# Altium PCB EDA-03518-V3-0_pcb.pcbdoc (part 12 of 14)
Units mm, origin at the board's own origin, x right, y up, seen from the top; angles counter-clockwise.
Board outline 220 x 230 mm, 8 copper layers (Top Layer, L2P, L3, L4P, L5P, L6, L7P, Bottom Layer), stack 2.18 mm thick; 1190 components, 1445 nets, 5955 pads, 2149 vias.
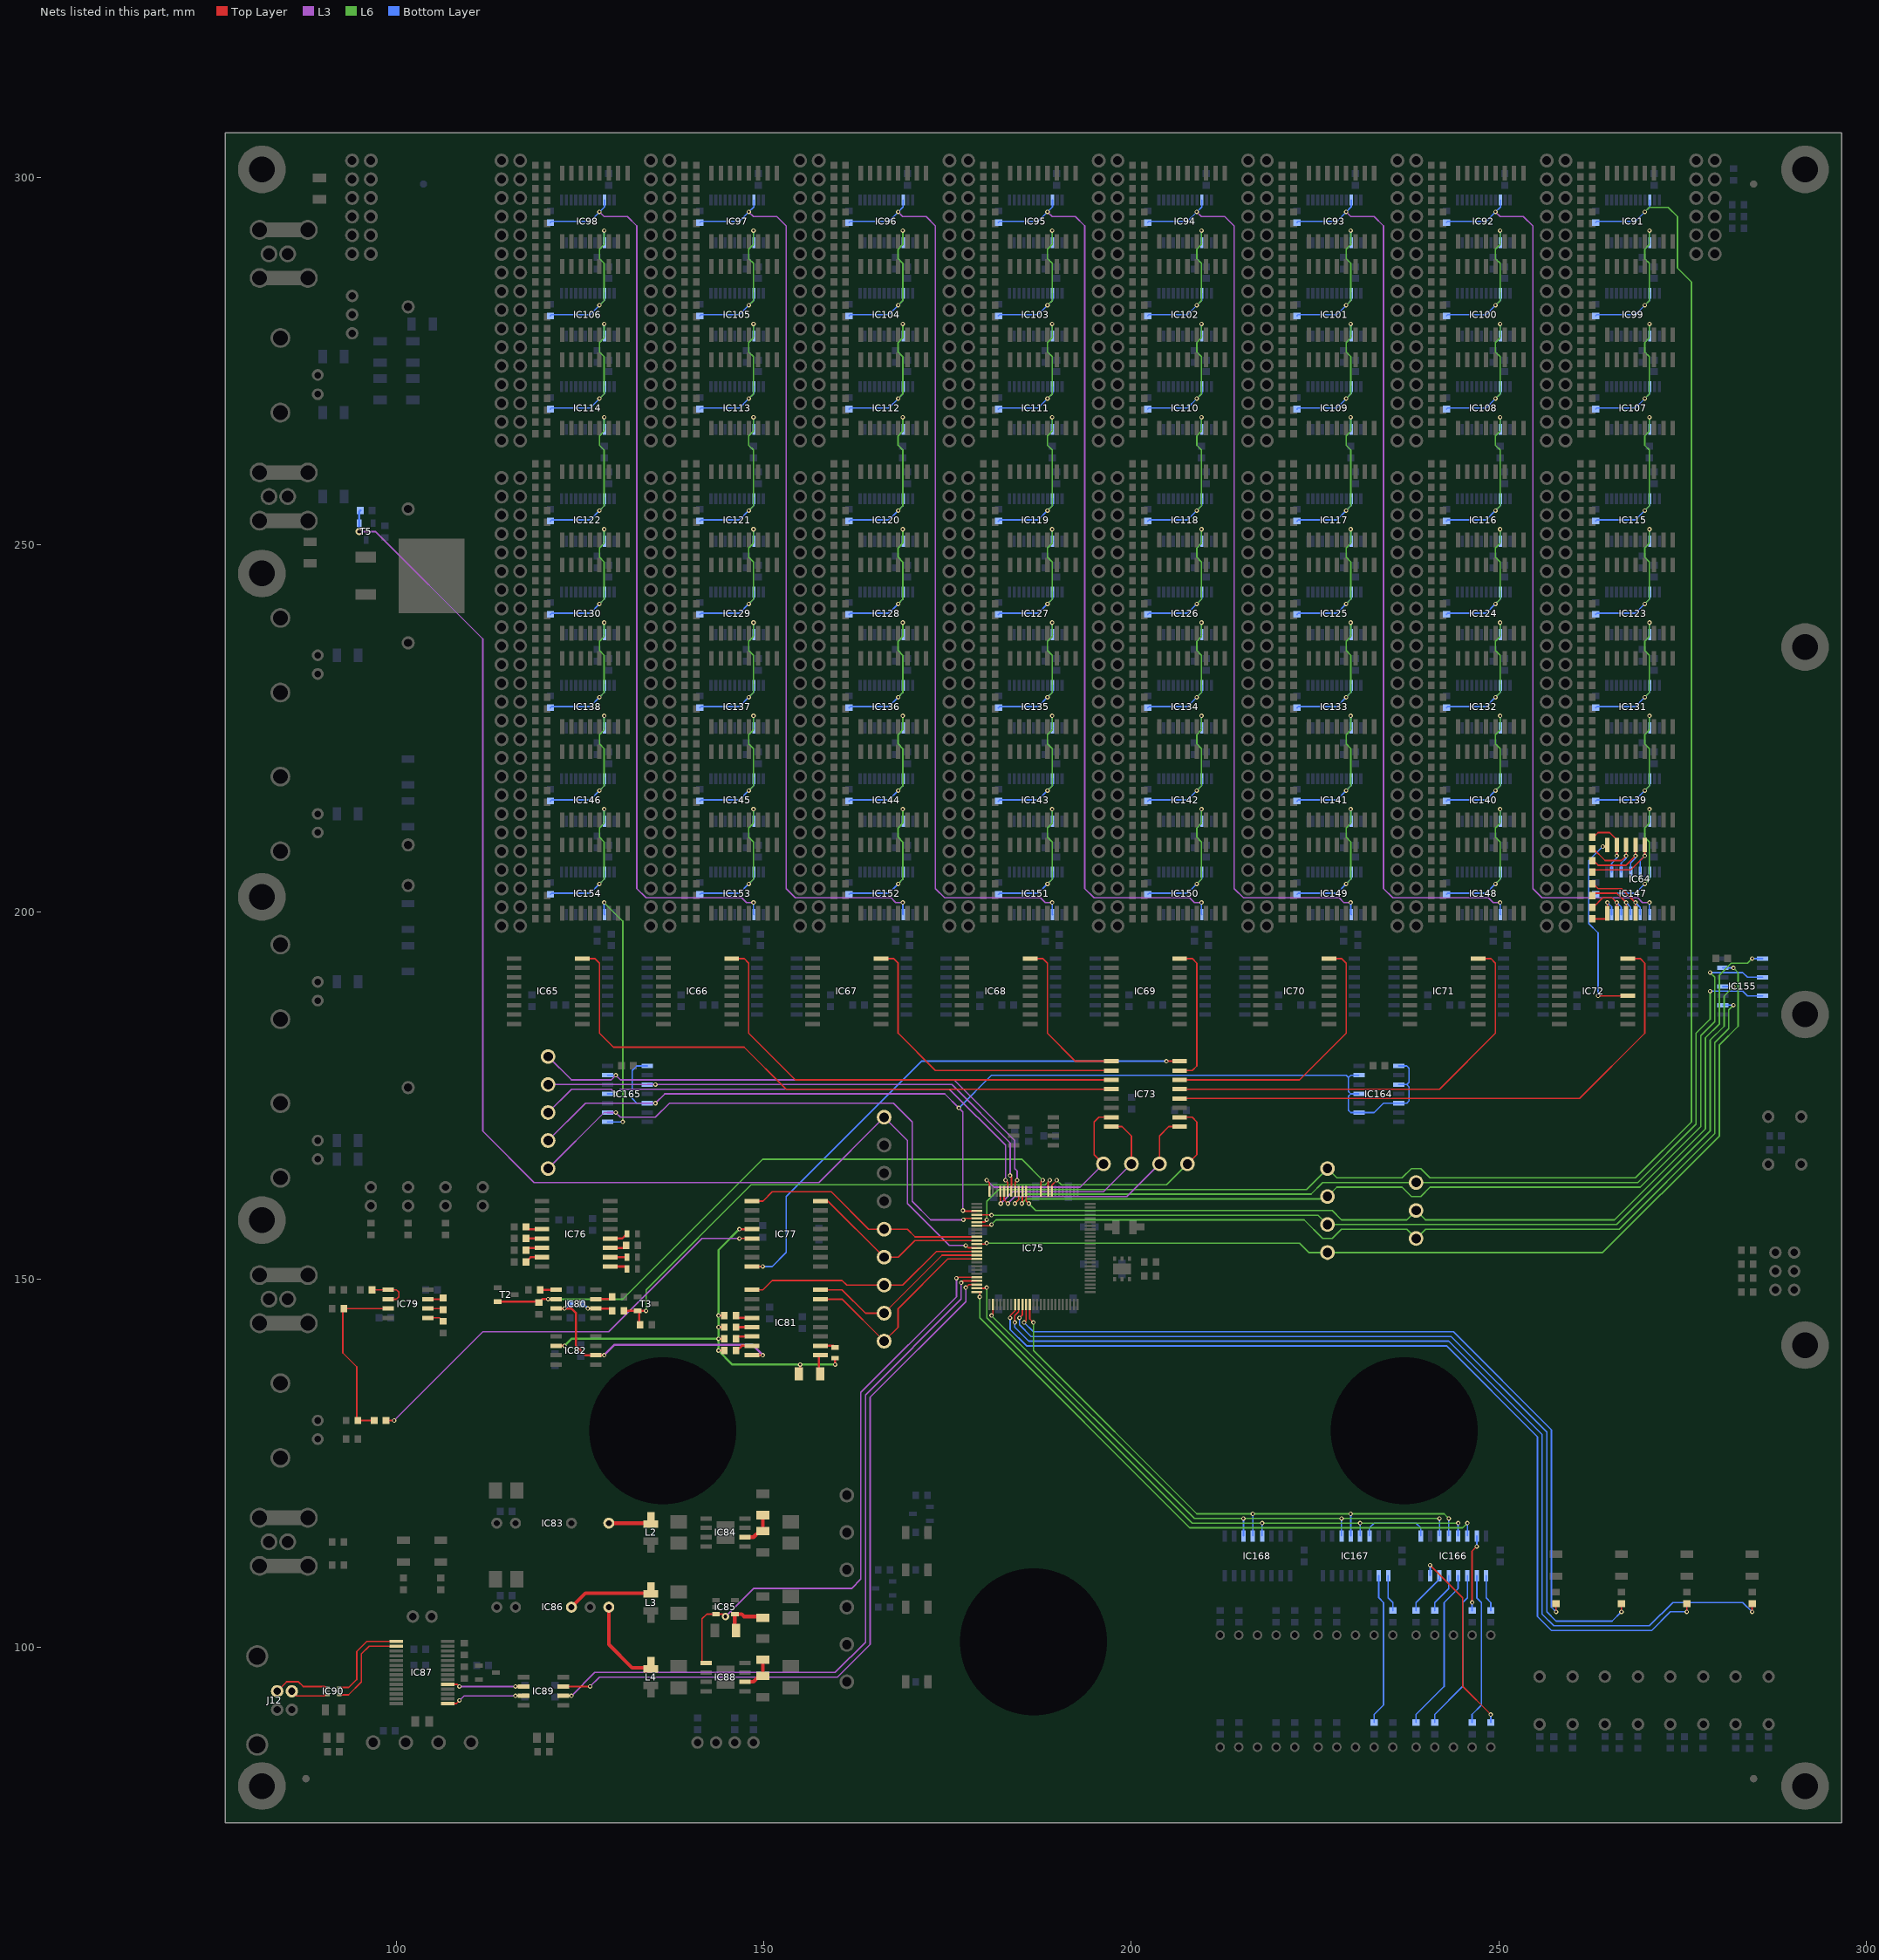
[diagram p18: the nets of this part, all layers, seen from the top]

## Via types
v1: diameter 0.6, hole 0.3, Top Layer to Bottom Layer, tented both sides, 1995 vias
v2: diameter 1, hole 0.5, Top Layer to Bottom Layer, tented both sides, 154 vias

## Nets (pads, with @x,y where several pads share a name; then routed paths per layer and width w, separated by ;. In a path a pad name is that pad's centre, name@x,y a point inside that pad or via, vN(x,y) a via of type N, cw(c..) or ccw(c..) an arc to the next point about the centre after c; other vN are vias at no path point) (continued)
NetIC64_4: IC64.4 IC147.20 R482.2 | length 12
  Top Layer w0.203: R482.2@262.738,205.422 263.055,205.74 267.97,205.74 v1(269.875,207.645) IC64.4@269.875,209.12
  Bottom Layer w0.203: IC147.20@269.262,205.465 269.262,207.032 v1(269.875,207.645)
NetIC64_5: IC64.5 IC147.18 R474.2 | length 10.6
  Top Layer w0.203: R474.2@262.738,207.01 262.89,207.01 263.525,206.375 267.335,206.375 v1(268.605,207.645) IC64.5@268.605,209.12
  Bottom Layer w0.203: IC147.18@267.962,205.465 267.962,206.685 268.605,207.327 v1(268.605,207.645)
NetIC64_6: IC64.6 IC147.16 R466.2 | length 9.5
  Top Layer w0.203: R466.2@262.738,208.597 262.89,208.597 264.477,207.01 266.7,207.01 v1(267.335,207.645) IC64.6@267.335,209.12
  Bottom Layer w0.203: IC147.16@266.662,205.465 266.662,206.655 267.335,207.327 v1(267.335,207.645)
NetIC64_7: IC64.7 IC147.14 R458.2 | length 8.7
  Top Layer w0.203: R458.2@262.738,210.185 262.89,210.185 263.525,210.82 265.113,210.82 266.065,209.867 IC64.7@266.065,209.12 v1(266.065,207.645)
  Bottom Layer w0.203: IC147.14@265.362,205.465 265.362,206.625 266.065,207.327 v1(266.065,207.645)
NetIC64_8: IC64.8 IC72.4 | length 26.4
  Top Layer w0.203: v1(263.525,188.595) IC72.4@267.54,188.595 ; v1(264.16,208.915) 264.59,208.915 IC64.8@264.795,209.12
  Bottom Layer w0.203: v1(263.525,188.595) 263.525,197.167 262.255,198.438 262.255,207.01 v1(264.16,208.915)
NetIC64_9: IC64.9 IC147.11 R514.2 | length 6.1
  Top Layer w0.203: R514.2@262.738,199.072 264.795,199.072 IC64.9@264.795,199.82 v1(264.795,201.295)
  Bottom Layer w0.203: v1(264.795,201.295) 265.362,200.728 IC147.11@265.362,199.665
NetIC64_10: IC64.10 IC147.9 R506.2 | length 7.5
  Top Layer w0.203: R506.2@262.738,200.66 262.89,200.66 264.16,201.93 265.43,201.93 v1(266.065,201.295) IC64.10@266.065,199.82
  Bottom Layer w0.203: v1(266.065,201.295) 266.662,200.698 IC147.9@266.662,199.665
NetIC64_11: IC64.11 IC147.7 R498.2 | length 8.6
  Top Layer w0.203: R498.2@262.738,202.248 263.055,202.565 266.065,202.565 v1(267.335,201.295) IC64.11@267.335,199.82
  Bottom Layer w0.203: v1(267.335,201.295) 267.962,200.668 IC147.7@267.962,199.665
NetIC64_12: IC64.12 IC147.5 R490.2 | length 10.3
  Top Layer w0.203: R490.2@262.738,203.835 262.89,203.835 263.525,203.2 266.7,203.2 v1(268.605,201.295) IC64.12@268.605,199.82
  Bottom Layer w0.203: v1(268.605,201.295) 269.262,200.638 IC147.5@269.262,199.665
NetIC65_8: IC65.8 IC73.12 | length 84.9
  Top Layer w0.203: IC65.8@125.3,193.675 127,193.675 127.635,193.04 127.635,183.515 129.54,181.61 147.32,181.61 153.035,175.895 IC73.12@197.28,175.895
NetIC66_8: IC66.8 IC73.11 | length 64.1
  Top Layer w0.203: IC66.8@145.62,193.675 147.32,193.675 147.955,193.04 147.955,183.515 154.305,177.165 IC73.11@197.28,177.165
NetIC67_8: IC67.8 IC73.10 | length 43.2
  Top Layer w0.203: IC67.8@165.94,193.675 167.64,193.675 168.275,193.04 168.275,183.515 173.355,178.435 IC73.10@197.28,178.435
NetIC68_8: IC68.8 IC73.9 | length 22.4
  Top Layer w0.203: IC68.8@186.26,193.675 187.96,193.675 188.595,193.04 188.595,183.515 192.405,179.705 IC73.9@197.28,179.705
NetIC69_8: IC69.8 IC73.7 | length 19.2
  Top Layer w0.203: IC73.7@206.58,178.435 208.28,178.435 208.915,179.07 208.915,193.04 208.28,193.675 IC69.8@206.58,193.675
NetIC70_8: IC70.8 IC73.6 | length 37.4
  Top Layer w0.203: IC73.6@206.58,177.165 222.885,177.165 229.235,183.515 229.235,193.04 228.6,193.675 IC70.8@226.9,193.675
NetIC71_8: IC71.8 IC73.5 | length 58.3
  Top Layer w0.203: IC73.5@206.58,175.895 241.935,175.895 249.555,183.515 249.555,193.04 248.92,193.675 IC71.8@247.22,193.675
NetIC72_8: IC72.8 IC73.4 | length 79.1
  Top Layer w0.203: IC73.4@206.58,174.625 260.985,174.625 269.875,183.515 269.875,193.04 269.24,193.675 IC72.8@267.54,193.675
NetIC73_1: IC73.1 IC75.21 TP9.1 | length 31.8
  Top Layer w0.203: IC75.21@182.69,162.005 182.69,160.845 v1(183.197,160.338) ; TP9.1@203.835,165.735 203.835,169.545 205.105,170.815 IC73.1@206.58,170.815
  L3 w0.203: v1(183.197,160.338) 184.15,161.29 199.39,161.29 TP9.1@203.835,165.735
NetIC73_2: IC73.2 IC75.8 TP10.1 | length 29.9
  Top Layer w0.203: IC75.8@189.19,162.005 189.19,162.838 v1(189.865,163.512) ; IC73.2@206.58,172.085 208.28,172.085 208.915,171.45 208.915,167.005 TP10.1@207.645,165.735
  L6 w0.203: v1(189.865,163.512) 190.5,162.877 204.787,162.877 TP10.1@207.645,165.735
NetIC73_8: IC73.8 IC77.8 | length 74.2
  Top Layer w0.203: IC77.8@148.385,151.765 v1(149.86,151.765) ; v1(204.787,179.705) IC73.8@206.58,179.705
  Bottom Layer w0.203: v1(149.86,151.765) 151.13,151.765 153.035,153.67 153.035,161.29 171.45,179.705 v1(204.787,179.705)
NetIC73_15: IC73.15 IC75.25 TP7.1 | length 28.1
  Top Layer w0.203: v1(180.34,163.512) 180.69,163.163 IC75.25@180.69,162.005 ; TP7.1@196.215,165.735 194.945,167.005 194.945,171.45 195.58,172.085 IC73.15@197.28,172.085
  L3 w0.203: v1(180.34,163.512) 181.292,162.56 193.04,162.56 TP7.1@196.215,165.735
NetIC73_16: IC73.16 IC75.22 TP8.1 | length 28.8
  Top Layer w0.203: IC75.22@182.19,162.005 182.19,160.393 v1(182.245,160.338) ; IC73.16@197.28,170.815 198.755,170.815 200.025,169.545 TP8.1@200.025,165.735
  L3 w0.203: v1(182.245,160.338) 183.832,161.925 196.215,161.925 TP8.1@200.025,165.735
NetIC75_9: IC75.9 R539.2 R542.2 T3.2 | length 70.6
  Top Layer w0.203: IC75.9@188.69,162.005 188.69,163.29 v1(188.912,163.512)
  Top Layer w0.305: R539.2@130.975,145.732 132.833,145.732 T3.2@132.835,145.735 ; R542.2@133.185,143.827 133.032,143.98 133.032,145.537 T3.2@132.835,145.735 ; v1(133.985,145.732) 133.983,145.735 T3.2@132.835,145.735
  L6 w0.203: v1(133.985,145.732) 133.985,148.59 148.273,162.877 188.278,162.877 v1(188.912,163.512)
NetIC75_11: IC75.11 IC80.2 R537.2 T2.2 | length 86.2
  Top Layer w0.203: IC75.11@187.69,162.005 187.69,163.243 v1(187.96,163.512)
  Top Layer w0.305: T2.2@113.785,147.005 113.787,147.002 119.228,147.002 R537.2@119.38,146.85 119.85,147.32 v1(120.65,147.32) IC80.2@121.76,147.32
  L6 w0.203: v1(120.65,147.32) 130.81,147.32 149.86,166.37 185.102,166.37 v1(187.96,163.512)
NetIC75_15: IC75.15 IC155.1 TP17.1 | length 129.5
  Top Layer w0.203: IC75.15@185.69,162.005 185.69,160.703 v1(186.055,160.338)
  L6 w0.203: v1(186.055,160.338) 187.007,159.385 227.33,159.385 228.6,158.115 237.49,158.115 TP17.1@238.76,159.385 240.03,158.115 265.748,158.115 278.13,170.498 278.13,182.88 280.035,184.785 280.035,191.452 281.623,193.04 283.845,193.04 v1(284.48,193.675)
  Bottom Layer w0.203: v1(284.48,193.675) IC155.1@285.91,193.675
NetIC75_16: IC75.16 IC155.3 TP15.1 | length 128.9
  Top Layer w0.203: v1(185.102,160.338) 185.19,160.425 IC75.16@185.19,162.005
  L6 w0.203: v1(185.102,160.338) 185.737,160.972 226.377,160.972 TP15.1@226.695,161.29 227.965,162.56 236.855,162.56 238.125,161.29 239.395,161.29 240.665,162.56 269.24,162.56 277.495,170.815 277.495,183.197 279.4,185.102 279.4,191.135 v1(278.765,191.77)
  Bottom Layer w0.203: v1(278.765,191.77) 283.21,191.77 283.845,191.135 IC155.3@285.91,191.135
NetIC75_17: IC75.17 IC155.5 TP14.1 | length 125.4
  Top Layer w0.203: v1(184.15,160.338) 184.69,160.877 IC75.17@184.69,162.005
  L6 w0.203: v1(184.15,160.338) 185.42,161.607 224.472,161.607 226.06,163.195 TP14.1@238.76,163.195 268.923,163.195 276.86,171.132 276.86,183.515 278.765,185.42 v1(278.765,189.23)
  Bottom Layer w0.203: v1(278.765,189.23) 283.21,189.23 283.845,188.595 IC155.5@285.91,188.595
NetIC75_18: IC75.18 IC165.13 TP1.1 | length 77
  Top Layer w0.203: IC75.18@184.19,162.005 184.19,163.235 v1(184.468,163.512)
  L3 w0.203: TP1.1@120.65,180.34 123.825,177.165 129.222,177.165 v1(129.857,177.8) 130.493,177.165 175.895,177.165 184.15,168.91 184.15,165.1 184.468,164.782 v1(184.468,163.512)
  Bottom Layer w0.203: IC165.13@128.745,177.8 v1(129.857,177.8)
NetIC75_19: IC75.19 IC165.3 TP2.1 | length 73.9
  Top Layer w0.203: v1(183.515,164.147) 183.69,163.972 IC75.19@183.69,162.005
  L3 w0.203: TP2.1@120.65,176.53 v1(135.255,176.53) 175.577,176.53 183.515,168.593 v1(183.515,164.147)
  Bottom Layer w0.203: IC165.3@134.145,176.53 v1(135.255,176.53)
NetIC75_20: IC75.20 IC165.11 TP3.1 | length 74.7
  Top Layer w0.203: v1(182.88,163.512) 183.19,163.203 IC75.20@183.19,162.005
  L3 w0.203: TP3.1@120.65,172.72 123.825,175.895 129.222,175.895 v1(129.857,175.26) 130.493,175.895 175.26,175.895 182.88,168.275 v1(182.88,163.512)
  Bottom Layer w0.203: IC165.11@128.745,175.26 v1(129.857,175.26)
NetIC75_28: IC75.28 IC164.1 IC164.3 IC164.5 IC164.9 IC164.11 IC164.13 IC165.1 IC165.5 TP5.1 | length 163.8
  Top Layer w0.203: v1(177.086,159.385) 177.166,159.305 IC75.28@178.99,159.305
  L3 w0.203: TP5.1@120.65,168.91 125.73,173.99 v1(135.255,173.99) 136.525,175.26 174.625,175.26 v1(176.53,173.355) 177.086,172.799 v1(177.086,159.385)
  Bottom Layer w0.203: IC165.1@134.145,179.07 132.715,179.07 132.08,178.435 132.08,174.625 132.715,173.99 IC165.5@134.145,173.99 v1(135.255,173.99) ; v1(176.53,173.355) 180.975,177.8 229.235,177.8 229.552,177.482 ; IC164.11@230.98,175.26 229.87,175.26 ; IC164.13@230.98,177.8 229.87,177.8 229.552,177.482 ; IC164.3@236.38,176.53 237.49,176.53 ; IC164.1@236.38,179.07 237.49,179.07 237.807,178.752 237.807,176.847 237.49,176.53 ; 229.552,177.482 229.552,175.577 229.87,175.26 ; 229.87,175.26 229.552,174.942 229.552,173.037 229.87,172.72 IC164.9@230.98,172.72 233.045,172.72 234.315,173.99 IC164.5@236.38,173.99 237.49,173.99 237.807,174.308 237.807,176.213 237.49,176.53
NetIC75_29: IC75.29 IC155.11 TP18.1 | length 128
  Top Layer w0.203: IC75.29@178.99,158.805 180.92,158.805 v1(180.975,158.75)
  L6 w0.203: v1(180.975,158.75) 225.425,158.75 TP18.1@226.695,157.48 266.065,157.48 278.765,170.18 278.765,182.562 280.67,184.468 280.67,188.595 v1(281.94,189.865)
  Bottom Layer w0.203: IC155.11@280.51,189.865 v1(281.94,189.865)
NetIC75_30: IC75.30 IC165.9 TP11.1 | length 76.6
  Top Layer w0.203: v1(177.165,158.115) 177.355,158.305 IC75.30@178.99,158.305
  L3 w0.203: TP11.1@120.65,165.1 128.27,172.72 v1(129.857,172.72) 130.493,172.085 135.255,172.085 137.16,173.99 167.64,173.99 170.18,171.45 170.18,160.655 172.72,158.115 v1(177.165,158.115)
  Bottom Layer w0.203: IC165.9@128.745,172.72 v1(129.857,172.72)
NetIC75_31: IC75.31 IC91.22 R571.1 TP12.1 | length 244.9
  Top Layer w0.203: IC75.31@178.99,157.805 180.03,157.805 v1(180.34,158.115)
  L6 w0.203: v1(180.34,158.115) 180.34,160.655 181.927,162.243 223.837,162.243 TP12.1@226.695,165.1 227.965,163.83 236.855,163.83 238.125,165.1 239.395,165.1 240.665,163.83 268.605,163.83 276.225,171.45 276.225,285.75 274.32,287.655 274.32,294.64 273.05,295.91 270.51,295.91 v1(269.875,295.275)
  Bottom Layer w0.203: R571.1@263.207,293.84 263.373,294.005 268.605,294.005 v1(269.875,295.275) 270.562,295.962 IC91.22@270.562,296.905
NetIC75_32: IC75.32 IC155.9 TP20.1 | length 128.7
  Top Layer w0.203: IC75.32@178.99,157.305 180.8,157.305 v1(180.975,157.48)
  L6 w0.203: v1(180.975,157.48) 181.61,158.115 223.52,158.115 226.06,155.575 227.33,155.575 228.6,156.845 237.49,156.845 TP20.1@238.76,155.575 240.03,156.845 266.382,156.845 279.4,169.862 279.4,182.245 281.305,184.15 281.305,186.69 v1(281.94,187.325)
  Bottom Layer w0.203: IC155.9@280.51,187.325 v1(281.94,187.325)
NetIC75_35: IC75.35 IC77.1 TP19.1 | length 33.7
  Top Layer w0.203: IC77.1@148.385,160.655 149.86,160.655 151.13,161.925 159.185,161.925 164.265,156.845 TP19.1@166.37,156.845 169.545,156.845 170.585,155.805 IC75.35@178.99,155.805
NetIC75_36: IC75.36 IC77.16 TP22.1 | length 25.4
  Top Layer w0.203: IC77.16@157.685,160.655 158.75,160.655 TP22.1@166.37,153.035 168.275,153.035 170.545,155.305 IC75.36@178.99,155.305
NetIC75_37: IC75.37 IC155.13 TP21.1 | length 133.8
  Top Layer w0.203: IC75.37@178.99,154.805 180.205,154.805 v1(180.34,154.94)
  L6 w0.203: v1(180.34,154.94) 222.885,154.94 224.155,153.67 TP21.1@226.695,153.67 264.16,153.67 280.035,169.545 280.035,181.927 282.575,184.468 282.575,191.77 v1(281.94,192.405)
  Bottom Layer w0.203: IC155.13@280.51,192.405 v1(281.94,192.405)
NetIC75_38: IC75.38 R613.2 T5.1 TP4.1 | length 179
  Top Layer w0.203: v1(177.482,154.623) 177.8,154.305 IC75.38@178.99,154.305
  L3 w0.203: v2(94.932,251.778) 97.155,251.778 111.76,237.172 111.76,170.18 118.745,163.195 157.48,163.195 TP4.1@166.37,172.085 169.545,168.91 169.545,160.338 175.26,154.623 v1(177.482,154.623)
  Bottom Layer w0.305: v2(94.932,251.778) 94.935,251.78 T5.1@94.935,252.928 94.935,253.68 94.932,253.682 94.932,254.483 R613.2@95.085,254.635
NetIC75_39: IC75.39 IC81.1 TP23.1 | length 33.3
  Top Layer w0.203: IC81.1@148.385,148.59 149.86,148.59 151.13,149.86 160.655,149.86 161.29,149.225 TP23.1@166.37,149.225 168.91,149.225 173.49,153.805 IC75.39@178.99,153.805
NetIC75_40: IC75.40 IC81.16 TP24.1 | length 25.9
  Top Layer w0.203: IC81.16@157.685,148.59 160.655,148.59 163.83,145.415 TP24.1@166.37,145.415 174.26,153.305 IC75.40@178.99,153.305
NetIC75_41: IC75.41 IC81.15 TP25.1 | length 29.8
  Top Layer w0.203: IC81.15@157.685,147.32 160.655,147.32 TP25.1@166.37,141.605 168.275,143.51 168.275,146.05 175.03,152.805 IC75.41@178.99,152.805
NetIC75_46: IC75.46 IC85.3 IC88.5 | length 79.8
  Top Layer w0.203: IC88.5@142.13,97.79 141.605,97.79 141.605,103.822 142.242,104.46 IC85.3@143.48,104.46 144.46,104.46 v2(144.78,104.14) ; v1(176.213,150.177) 176.34,150.305 IC75.46@178.99,150.305
  L3 w0.203: v2(144.78,104.14) 148.59,107.95 161.925,107.95 163.195,109.22 163.195,134.62 176.213,147.637 v1(176.213,150.177)
NetIC75_47: IC75.47 IC89.2 | length 100.7
  Top Layer w0.203: IC89.2@122.715,93.345 v1(123.825,93.345) ; v1(176.847,149.542) 177.11,149.805 IC75.47@178.99,149.805
  L3 w0.203: v1(123.825,93.345) 127,96.52 159.702,96.52 163.83,100.647 163.83,134.302 176.847,147.32 v1(176.847,149.542)
NetIC75_48: IC75.48 IC89.3 | length 99.8
  Top Layer w0.203: IC89.3@122.715,94.615 v1(126.365,94.615) ; v1(177.482,148.907) 177.88,149.305 IC75.48@178.99,149.305
  L3 w0.203: v1(126.365,94.615) 127.635,95.885 160.02,95.885 164.465,100.33 164.465,133.985 177.482,147.002 v1(177.482,148.907)
NetIC75_49: IC75.49 IC166.13 IC167.13 IC168.13 | length 86.5
  Top Layer w0.203: IC75.49@178.99,148.805 180.238,148.805 v1(180.34,148.907)
  L6 w0.203: v1(180.34,148.907) 180.34,144.78 208.28,116.84 v1(217.805,116.84) v1(231.14,116.84) v1(244.475,116.84)
  Bottom Layer w0.203: IC168.13@217.805,115.095 v1(217.805,116.84) ; IC167.13@231.14,115.095 v1(231.14,116.84) ; IC166.13@244.475,115.095 v1(244.475,116.84)
NetIC75_50: IC75.50 IC166.14 | length 84.1
  Top Layer w0.203: IC75.50@178.99,148.305 179.387,148.305 v1(179.387,147.637)
  L6 w0.203: v1(179.387,147.637) 179.387,144.78 207.963,116.205 245.11,116.205 v1(245.745,116.84)
  Bottom Layer w0.203: IC166.14@245.745,115.095 v1(245.745,116.84)
NetIC75_52: IC75.52 IC166.11 IC167.11 IC168.11 | length 81.1
  Top Layer w0.203: v1(180.975,145.097) 181.19,145.313 IC75.52@181.19,146.605
  L6 w0.203: v1(180.975,145.097) 208.597,117.475 v1(215.265,117.475) v1(228.6,117.475) v1(241.935,117.475)
  Bottom Layer w0.203: IC168.11@215.265,115.095 v1(215.265,117.475) ; IC167.11@228.6,115.095 v1(228.6,117.475) ; IC166.11@241.935,115.095 v1(241.935,117.475)
NetIC75_58: IC75.58 R559.2 | length 129.2
  Top Layer w0.203: v1(183.515,144.78) 183.515,145.097 184.19,145.772 IC75.58@184.19,146.605 ; v1(275.59,104.775) R559.2@275.59,105.88
  Bottom Layer w0.203: v1(183.515,144.78) 183.515,143.192 185.737,140.97 242.887,140.97 255.27,128.588 255.27,104.14 257.175,102.235 270.827,102.235 273.368,104.775 v1(275.59,104.775)
NetIC75_59: IC75.59 R560.2 | length 137.7
  Top Layer w0.203: v1(184.15,144.145) 184.15,145.097 184.69,145.637 IC75.59@184.69,146.605 ; v1(284.48,104.775) R560.2@284.48,105.88
  Bottom Layer w0.203: v1(184.15,144.145) 184.15,143.51 186.055,141.605 243.205,141.605 255.905,128.905 255.905,104.457 257.493,102.87 270.51,102.87 273.685,106.045 283.21,106.045 v1(284.48,104.775)
NetIC75_60: IC75.60 R558.2 | length 117.5
  Top Layer w0.203: v1(184.785,144.78) 185.19,145.185 IC75.60@185.19,146.605 ; v1(266.7,104.775) R558.2@266.7,105.88
  Bottom Layer w0.203: v1(184.785,144.78) 184.785,143.827 186.373,142.24 243.522,142.24 256.54,129.222 256.54,104.775 257.81,103.505 265.43,103.505 v1(266.7,104.775)
NetIC75_61: IC75.61 R557.2 | length 106.5
  Top Layer w0.203: v1(185.42,144.145) 185.69,144.415 IC75.61@185.69,146.605 ; v1(257.81,104.775) R557.2@257.81,105.88
  Bottom Layer w0.203: v1(185.42,144.145) 186.69,142.875 243.84,142.875 257.175,129.54 257.175,105.41 v1(257.81,104.775)
NetIC75_62: IC75.62 IC166.12 IC167.12 IC168.12 | length 80.9
  Top Layer w0.203: IC75.62@186.19,146.605 186.19,144.645 v1(186.69,144.145)
  L6 w0.203: v1(186.69,144.145) 186.69,140.335 208.915,118.11 v1(216.535,118.11) v1(229.87,118.11) 242.57,118.11 v1(243.205,117.475)
  Bottom Layer w0.203: IC168.12@216.535,115.095 v1(216.535,118.11) ; IC167.12@229.87,115.095 v1(229.87,118.11) ; IC166.12@243.205,115.095 v1(243.205,117.475)
NetIC76_4: IC76.4 R518.1 | length 2.3
  Top Layer w0.305: R518.1@117.64,157.162 117.958,156.845 IC76.4@119.81,156.845
NetIC76_5: IC76.5 R520.1 | length 2.2
  Top Layer w0.305: R520.1@117.64,155.575 IC76.5@119.81,155.575
NetIC76_6: IC76.6 R522.1 | length 2.3
  Top Layer w0.305: R522.1@117.64,153.987 117.958,154.305 IC76.6@119.81,154.305
NetIC76_7: IC76.7 R525.1 | length 2.4
  Top Layer w0.305: R525.1@117.64,152.4 118.275,153.035 IC76.7@119.81,153.035
NetIC76_9: IC76.9 R528.1 | length 2.4
  Top Layer w0.305: IC76.9@129.11,151.765 131.042,151.765 R528.1@131.36,151.447
NetIC76_10: IC76.10 R524.1 | length 2.2
  Top Layer w0.305: IC76.10@129.11,153.035 R524.1@131.36,153.035
NetIC76_11: IC76.11 R521.1 | length 2.3
  Top Layer w0.305: IC76.11@129.11,154.305 130.962,154.305 R521.1@131.28,154.623
NetIC76_12: IC76.12 R519.1 | length 2.5
  Top Layer w0.305: IC76.12@129.11,155.575 130.725,155.575 R519.1@131.36,156.21
NetIC77_4: IC77.4 IC82.2 R540.1 R543.1 R544.1 R545.1 R546.1 R547.1 | length 63.9
  Top Layer w0.305: IC82.2@121.76,140.97 v1(122.872,140.97) ; v1(143.827,140.335) R546.1@144.615,140.335 ; v1(143.827,141.922) R544.1@144.615,141.922 ; v1(143.827,143.51) R543.1@144.615,143.51 ; v1(143.827,145.097) R540.1@144.615,145.097 ; v1(146.685,156.845) IC77.4@148.385,156.845 ; R547.1@154.76,137.16 154.94,137.34 v1(154.94,138.43) ; v1(159.702,138.43) R545.1@159.702,139.297
  L6 w0.305: v1(122.872,140.97) 123.825,141.922 v1(143.827,141.922) ; v1(146.685,156.845) 143.827,153.987 v1(143.827,145.097) v1(143.827,143.51) v1(143.827,141.922) ; v1(159.702,138.43) v1(154.94,138.43) 145.732,138.43 v1(143.827,140.335) v1(143.827,141.922)
NetIC77_5: IC77.5 R549.1 | length 60.1
  Top Layer w0.203: R549.1@98.59,130.81 v1(99.695,130.81) ; v1(146.685,155.575) IC77.5@148.385,155.575
  L3 w0.203: v1(99.695,130.81) 111.76,142.875 128.905,142.875 141.605,155.575 v1(146.685,155.575)
NetIC79_1: IC79.1 IC79.2 R532.1 | length 6
  Top Layer w0.203: R532.1@96.685,148.59 IC79.1@98.9,148.59 100.013,148.59 100.33,148.273 100.33,147.637 100.013,147.32 IC79.2@98.9,147.32
NetIC79_3: IC79.3 R538.1 R548.1 R549.2 | length 24.4
  Top Layer w0.203: R549.2@96.99,130.81 R548.1@94.78,130.81 94.615,130.975 94.615,138.112 92.71,140.017 92.71,145.885 R538.1@92.875,146.05 IC79.3@98.9,146.05
NetIC79_5: IC79.5 R541.2 | length 2.3
  Top Layer w0.203: IC79.5@104.3,144.78 105.893,144.78 R541.2@106.362,144.31
NetIC79_6: IC79.6 R536.1 | length 2.1
  Top Layer w0.203: IC79.6@104.3,146.05 106.197,146.05 R536.1@106.362,145.885
NetIC79_7: IC79.7 R536.2 | length 2.1
  Top Layer w0.203: IC79.7@104.3,147.32 106.197,147.32 R536.2@106.362,147.485
NetIC80_1: IC80.1 R533.1 | length 2.2
  Top Layer w0.305: R533.1@119.545,148.59 IC80.1@121.76,148.59
NetIC80_3: IC80.3 IC81.8 IC82.6 R653.1 | length 37
  Top Layer w0.305: IC80.3@121.76,146.05 v1(122.872,146.05) 123.825,146.05 124.46,145.415 124.46,140.97 125.73,139.7 IC82.6@127.16,139.7 v1(128.27,139.7) ; IC81.8@148.385,139.7 v1(149.86,139.7)
  L3 w0.305: v1(128.27,139.7) 129.699,141.129 148.431,141.129 v1(149.86,139.7)
  Bottom Layer w0.305: v1(122.872,146.05) 123.507,146.685 R653.1@123.66,146.685
NetIC80_6: IC80.6 R539.1 R653.2 | length 4.5